# Altium PCB ZhuKong.PcbDoc (part 5 of 6)
Units mm, origin at the board's own origin, x right, y up, seen from the top; angles counter-clockwise.
Board outline 178.45 x 113.25 mm, 2 copper layers (Top Layer, Bottom Layer); 395 components, 351 nets, 1367 pads, 848 vias.
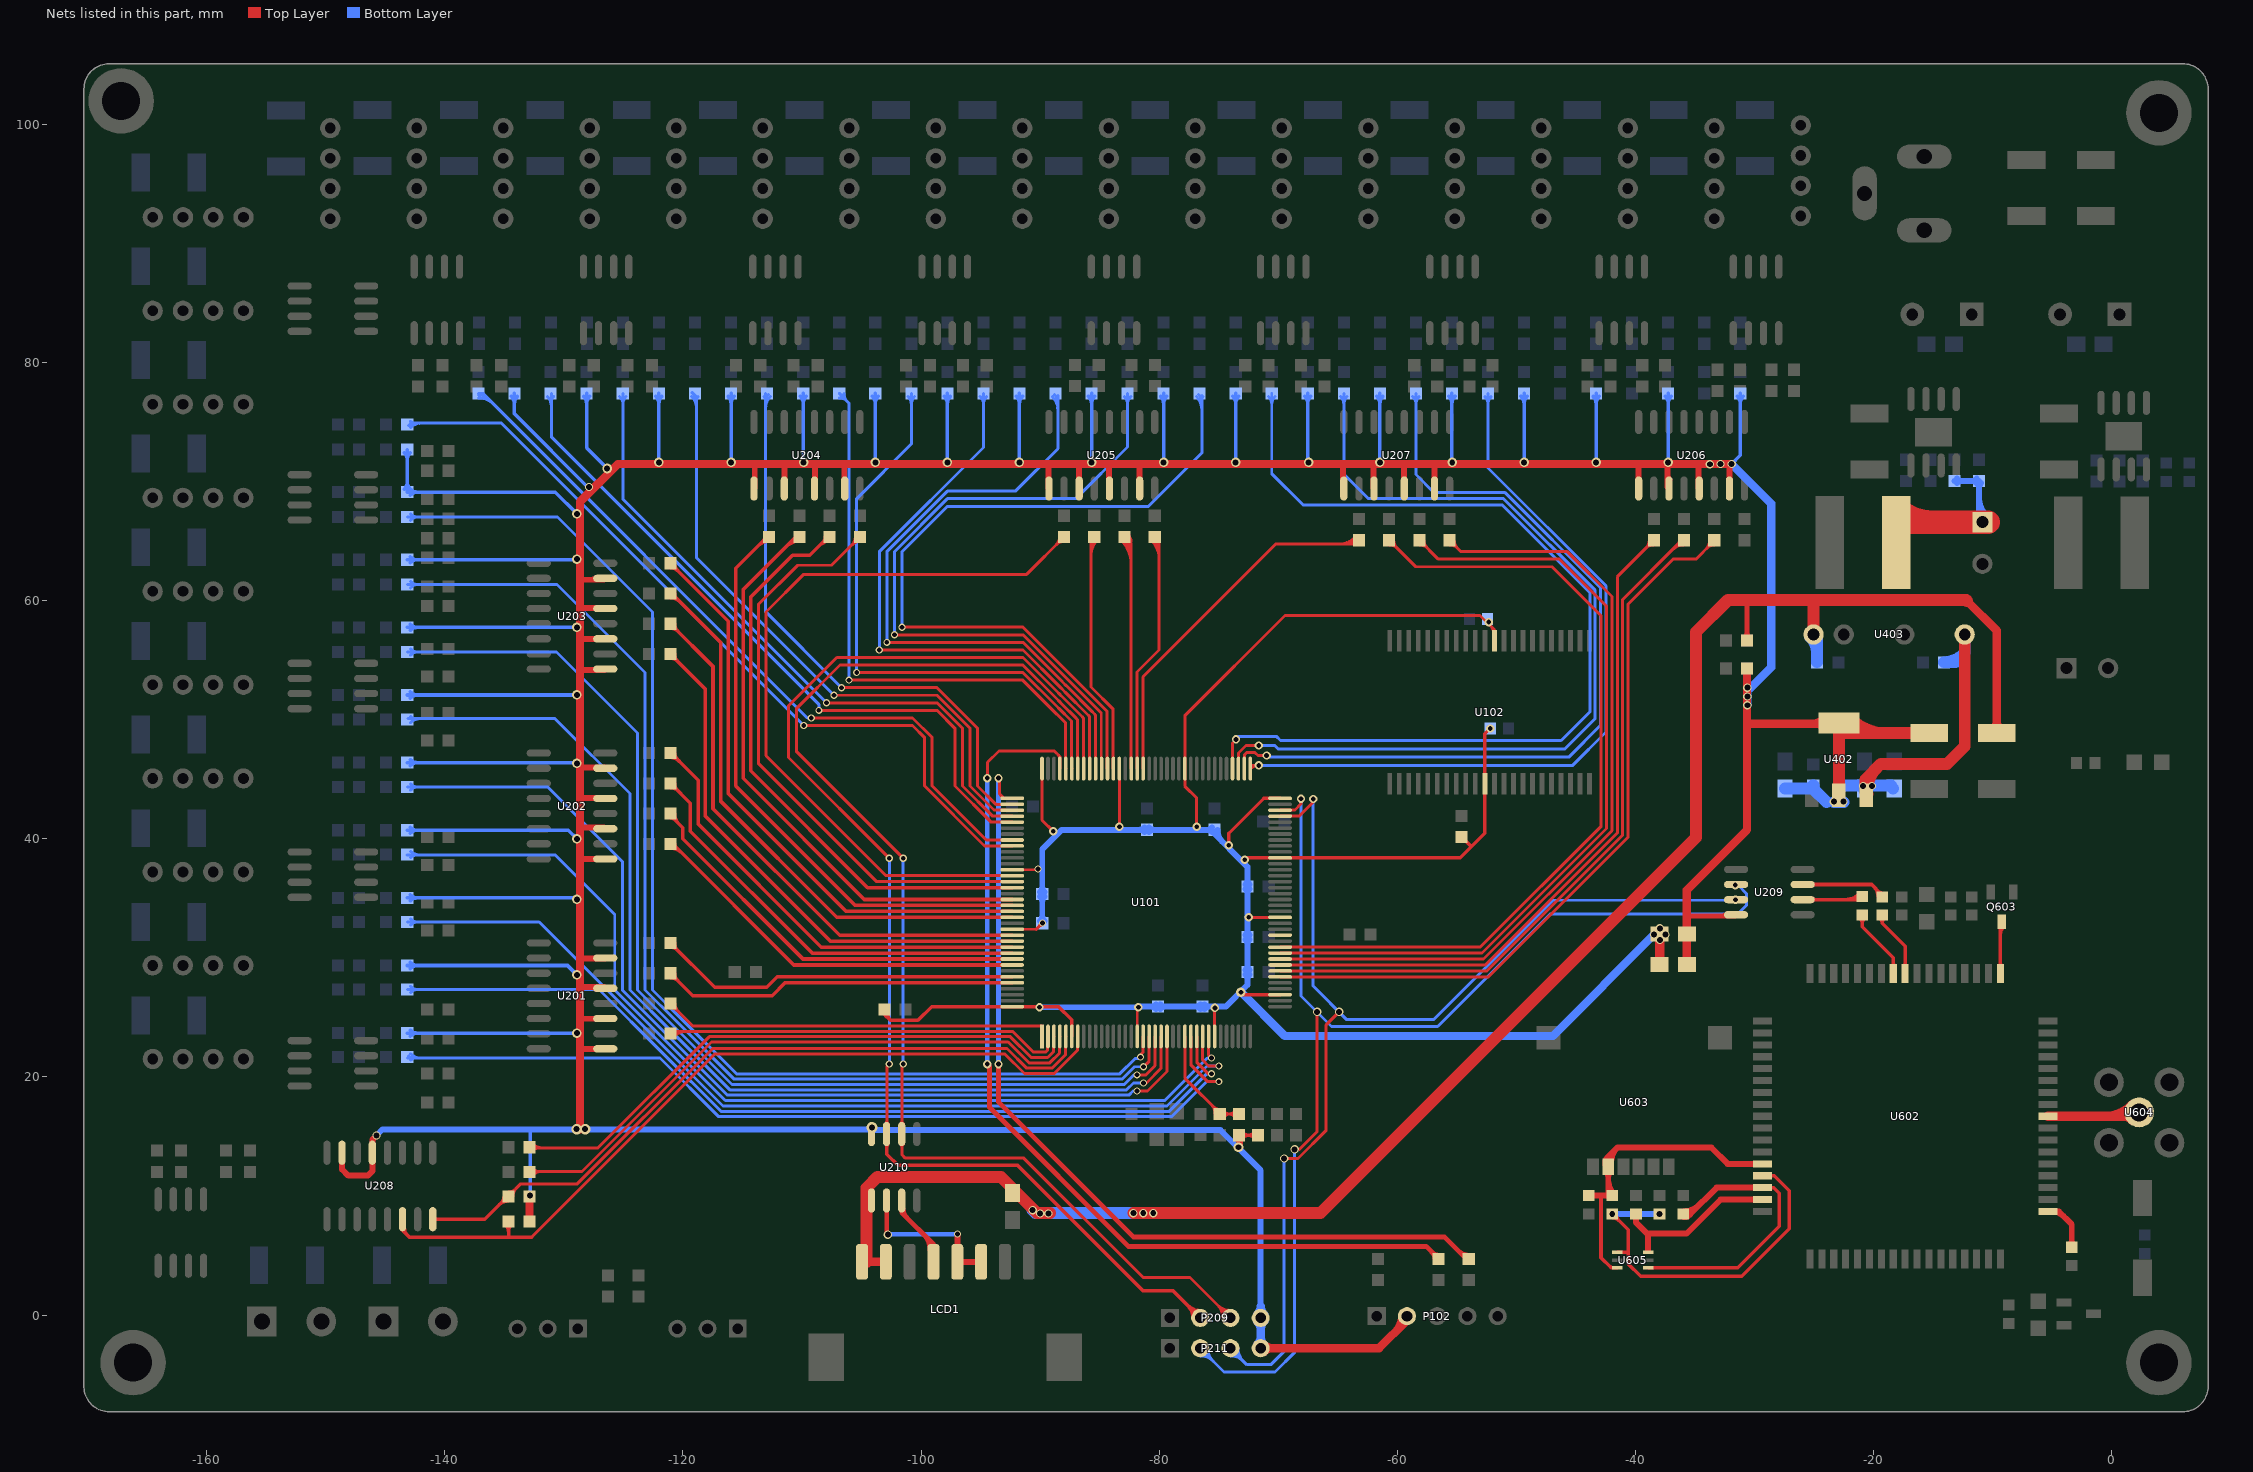
[diagram p5: the nets of this part, all layers, seen from the top]

## Via types
v1: diameter 0.5, hole 0.4, Top Layer to Bottom Layer, tented both sides, 554 vias
v2: diameter 0.7, hole 0.5, Top Layer to Bottom Layer, tented both sides, 134 vias
v3: diameter 0.6, hole 0.4, Top Layer to Bottom Layer, tented both sides, 77 vias
v4: diameter 0.7, hole 0.4, Top Layer to Bottom Layer, tented both sides, 40 vias
v5: diameter 0.8, hole 0.5, Top Layer to Bottom Layer, tented both sides, 32 vias
v6: diameter 0.5, hole 0.4, Top Layer to Bottom Layer, 5 vias
v7: diameter 0.9, hole 0.5, Top Layer to Bottom Layer, tented both sides, 4 vias
v8: diameter 0.5, hole 0.4, Top Layer to Bottom Layer, tented bottom, 1 vias
v9: diameter 0.8, hole 0.4, Top Layer to Bottom Layer, tented both sides, 1 vias

## Nets (pads, with @x,y where several pads share a name; then routed paths per layer and width w, separated by ;. In a path a pad name is that pad's centre, name@x,y a point inside that pad or via, vN(x,y) a via of type N, cw(c..) or ccw(c..) an arc to the next point about the centre after c; other vN are vias at no path point) (continued)
PA6_CH27: R91.1 U101.42 | length 64.2
  Top Layer w0.25: U101.42@-69.834,28.411 -52.327,28.411 -40.605,40.133 -40.605,59.725 -36.83,63.5 -34.9,63.5 R91.1@-33.63,64.77 ; -34.046,64.354 ccw(c-34.782,65.09) R91.1@-33.741,65.09 ; -33.929,64.47 cw(c-33.358,63.899) R91.1@-33.358,64.707
PA7_CH26: R99.1 U101.43 | length 62.6
  Top Layer w0.25: U101.43@-69.834,28.911 -52.464,28.911 -41.055,40.319 -41.055,60.113 -36.297,64.872 R99.1@-35.789,64.872 ; -36.86,64.309 cw(c-35.898,63.347) R99.1@-35.898,64.707 ; -36.433,64.735 cw(c-35.898,64.2) R99.1@-35.898,64.957 ; -36.424,64.744 ccw(c-36.77,65.09) R99.1@-36.281,65.09
PA8_FEED18: R553.1 U101.100 | length 51
  Top Layer w0.25: v3(-103.505,55.88) -91.44,55.88 -88.395,52.835 -88.394,52.835 -88.21,52.651 -88.208,52.651 -88.024,52.467 -88.023,52.467 -87.838,52.282 -87.837,52.282 -86.059,50.505 -86.059,50.504 -86.009,50.454 -86.009,50.452 -85.959,50.402 -85.959,50.401 -85.909,50.351 -85.909,50.349 -85.859,50.299 -85.859,45.936 U101.100@-85.834,45.911
  Bottom Layer w0.25: v3(-103.505,55.88) -103.505,64.135 -94.759,72.881 R553.1@-94.759,77.434 ; R553.1@-95.03,77.164 cw(c-95.684,76.51) -94.759,76.51 cw(c-93.834,76.51) R553.1@-94.488,77.164
PA9-USART1_TX: P209.2 U101.101 U210.7 | length 109.7
  Top Layer w0.25: U210.7@-102.997,16.053 ccw(c-103.304,16.36) -102.87,16.36 ccw(c-102.436,16.36) U210.7@-102.743,16.053 ; U210.7@-102.87,15.215 -102.87,20.879 v3(-102.667,21.082) ; v3(-102.667,38.379) -111.125,46.838 -111.125,51.19 -107.07,55.245 -91.443,55.245 -88.583,52.385 -88.58,52.385 -88.396,52.201 -88.395,52.201 -88.21,52.017 -88.209,52.017 -88.025,51.832 -88.023,51.832 -86.509,50.319 -86.509,50.317 -86.459,50.267 -86.459,50.266 -86.409,50.216 -86.409,50.214 -86.359,50.164 -86.359,45.936 U101.101@-86.334,45.911
  Top Layer w0.3: U210.7@-102.979,14.394 cw(c-103.244,14.13) -102.87,14.13 cw(c-102.496,14.13) U210.7@-102.761,14.394 ; U210.7@-102.87,15.215 -102.87,13.513 -101.93,12.573 -91.897,12.573 -81.382,2.057 -78.849,2.057 P209.2@-76.548,-0.244 ; P209.2@-77.16,-0.244 ccw(c-78.638,-0.244) -77.593,0.801 ccw(c-76.548,1.846) P209.2@-76.548,0.368
  Bottom Layer w0.25: v3(-102.667,21.082) v3(-102.667,38.379)
PA10-USART1_RX: P209.3 U101.102 U210.6 | length 110.9
  Top Layer w0.25: U210.6@-101.727,14.376 cw(c-102.034,14.069) -101.6,14.069 cw(c-101.166,14.069) U210.6@-101.473,14.376 ; U210.6@-101.727,16.053 ccw(c-102.034,16.36) -101.6,16.36 ccw(c-101.166,16.36) U210.6@-101.473,16.053 ; v3(-101.498,21.082) -101.6,20.98 -101.6,15.215 -101.6,13.462 -101.321,13.183 -91.364,13.183 -81.331,3.15 -77.401,3.15 P209.3@-74.008,-0.244 ; v3(-101.498,38.379) -110.48,47.361 -110.48,50.937 -106.807,54.61 -91.444,54.61 -88.585,51.751 -88.581,51.751 -88.397,51.567 -88.395,51.567 -88.211,51.382 -88.21,51.382 -86.959,50.132 -86.959,50.131 -86.909,50.081 -86.909,50.079 -86.859,50.029 -86.859,45.936 U101.102@-86.834,45.911 ; P209.3@-74.645,-0.244 ccw(c-76.183,-0.244) -75.095,0.844 ccw(c-74.008,1.931) P209.3@-74.008,0.393 ; P209.3@-74.395,-0.244 ccw(c-75.329,-0.244) -74.669,0.417 ccw(c-74.008,1.078) P209.3@-74.008,0.143
  Bottom Layer w0.25: v3(-101.498,21.082) v3(-101.498,38.379)
PA11_FEED17: R550.1 U101.103 | length 50.6
  Top Layer w0.25: v3(-105.41,53.975) -91.446,53.975 -88.587,51.117 -88.582,51.117 -88.397,50.932 -88.396,50.932 -87.409,49.946 -87.409,49.944 -87.359,49.894 -87.359,45.936 U101.103@-87.334,45.911
  Bottom Layer w0.25: v3(-105.41,53.975) -105.41,68.58 -100.815,73.175 R550.1@-100.815,77.434 ; R550.1@-101.086,77.164 cw(c-101.739,76.51) -100.815,76.51 cw(c-99.89,76.51) R550.1@-100.544,77.164
PA12_FEED16: R547.1 U101.104 | length 49.4
  Top Layer w0.25: v3(-106.045,53.34) -91.447,53.34 -88.589,50.482 -88.582,50.482 -87.859,49.759 -87.859,45.936 U101.104@-87.834,45.911
  Bottom Layer w0.25: R547.1@-106.87,77.051 cw(c-106.87,76.127) -106.217,76.781 cw(c-105.563,77.434) R547.1@-106.487,77.434 ; R547.1@-106.87,77.434 -106.045,76.609 v3(-106.045,53.34)
PA15_FEED15: R544.1 U101.110 | length 50.7
  Top Layer w0.25: v3(-106.68,52.705) -98.654,52.705 -95.25,49.301 -95.25,44.449 -93.712,42.911 U101.110@-92.334,42.911
  Bottom Layer w0.25: R544.1@-113.197,77.164 cw(c-113.539,76.822) -113.055,76.822 ; -113.055,76.198 cw(c-111.69,76.198) R544.1@-112.655,77.164 ; -113.055,76.801 cw(c-112.293,76.801) R544.1@-112.832,77.34 ; R544.1@-113.055,77.434 -113.055,59.08 v3(-106.68,52.705)
PB0_CH23: R89.1 U101.46 | length 69.9
  Top Layer w0.25: U101.46@-69.834,30.411 -52.873,30.411 -42.405,40.878 -42.405,59.55 -46.355,63.5 -56.541,63.5 R89.1@-58.131,65.09 ; R89.1@-58.131,64.707 cw(c-58.131,63.782) -57.477,64.436 cw(c-56.824,65.09) R89.1@-57.748,65.09
PB1_CH22: R82.1 U101.47 | length 70.8
  Top Layer w0.25: U101.47@-69.834,30.911 -53.009,30.911 -42.855,41.065 -42.855,58.73 -46.99,62.865 -58.446,62.865 R82.1@-60.671,65.09 ; R82.1@-60.671,64.707 cw(c-60.671,63.782) -60.017,64.436 cw(c-59.364,65.09) R82.1@-60.288,65.09
PB3_CH9: R37.1 U101.133 | length 46.3
  Top Layer w0.3: R37.1@-121.064,55.182 cw(c-121.064,54.317) -120.453,54.928 cw(c-119.842,55.54) R37.1@-120.706,55.54 ; R37.1@-121.064,55.54 -118.11,52.586 -118.11,41.91 -107.611,31.411 U101.133@-92.334,31.411
PB4_CH8: R45.1 U101.134 | length 38.9
  Top Layer w0.3: R45.1@-121.064,46.85 cw(c-121.064,45.82) -120.336,46.549 ; R45.1@-121.031,46.99 -120.777,46.99 -118.72,44.933 -118.72,41.25 -108.381,30.911 U101.134@-92.334,30.911 ; R45.1@-120.706,47.208 ccw(c-120.007,47.208) -120.501,46.714
PB5_CH7: R36.1 U101.135 | length 37.5
  Top Layer w0.3: R36.1@-121.234,44.526 -120.904,44.526 -119.38,43.002 -119.38,40.64 -109.151,30.411 U101.135@-92.334,30.411 ; R36.1@-121.064,44.31 cw(c-121.064,43.403) -120.422,44.045 ; R36.1@-120.706,44.668 ccw(c-119.885,44.668) -120.465,44.088
PB6_CH6: R44.1 U101.136 | length 35.3
  Top Layer w0.3: R44.1@-121.064,41.77 cw(c-121.064,41.231) -120.683,41.612 ; R44.1@-120.853,41.783 -120.015,40.945 -120.015,40.005 -109.921,29.911 U101.136@-92.334,29.911 ; R44.1@-120.706,42.128 ccw(c-119.517,42.128) -120.358,41.287
PB7_CH5: R35.1 U101.137 | length 34
  Top Layer w0.3: R35.1@-121.064,39.23 cw(c-121.064,37.894) -120.119,38.839 ; R35.1@-120.828,39.548 -110.691,29.411 U101.137@-92.334,29.411 ; R35.1@-120.706,39.588 ccw(c-120.314,39.588) R35.1@-120.591,39.311
PB8_CH4: R112.1 U101.139 | length 32
  Top Layer w0.3: R112.1@-121.064,30.899 cw(c-121.064,30.035) -120.453,30.646 cw(c-119.842,31.257) R112.1@-120.706,31.257 ; R112.1@-121.064,31.257 -117.34,27.534 -112.954,27.534 -112.077,28.411 U101.139@-92.334,28.411
PB9_CH3: R106.1 U101.140 | length 31.3
  Top Layer w0.3: R106.1@-121.064,28.359 cw(c-121.064,27.495) -120.453,28.106 cw(c-119.842,28.717) R106.1@-120.706,28.717 ; R106.1@-121.064,28.717 -119.183,26.836 -112.508,26.836 -111.434,27.911 U101.140@-92.334,27.911
PB10-USART3_TX: P211.3 U101.69 U209.7 | length 100.7
  Top Layer w0.25: U101.69@-69.834,41.911 -68.249,41.911 -67.056,43.104 v4(-67.056,43.358) ; v2(-69.494,13.157) -68.323,13.157 -65.964,15.516 -65.964,24.384 v2(-64.872,25.476)
  Bottom Layer w0.25: P211.3@-74.008,-3.421 cw(c-74.008,-4.959) -72.921,-3.871 cw(c-71.833,-2.784) P211.3@-73.371,-2.784 ; P211.3@-74.008,-3.171 cw(c-74.008,-4.105) -73.347,-3.444 cw(c-72.687,-2.784) P211.3@-73.621,-2.784 ; P211.3@-74.008,-2.784 -72.626,-4.166 -70.612,-4.166 -69.494,-3.048 v2(-69.494,13.157) ; v4(-67.056,43.358) -67.056,27.635 -64.237,24.816 -56.947,24.816 -46.914,34.849 -31.725,34.849 v4@-31.572,35.001
  other v4: -31.572,34.9
PB11-USART3_RX: P211.2 U101.70 U209.6 | length 106.3
  Top Layer w0.25: U101.70@-69.834,42.411 -69.809,42.436 -68.588,42.436 -68.072,42.951 v4(-68.072,43.383) ; -68.197,13.919 -66.726,15.39 v2(-66.726,25.476)
  Bottom Layer w0.25: P211.2@-76.548,-3.421 cw(c-76.548,-4.959) -75.461,-3.871 cw(c-74.373,-2.784) P211.2@-75.911,-2.784 ; P211.2@-76.548,-3.171 cw(c-76.548,-4.105) -75.887,-3.444 cw(c-75.227,-2.784) P211.2@-76.161,-2.784 ; P211.2@-76.548,-2.784 -74.547,-4.784 -70.266,-4.784 -68.605,-3.124 v2(-68.605,13.919) ; v4(-68.072,43.383) -68.072,26.797 -65.507,24.232 -56.591,24.232 -47.117,33.706 -31.369,33.706 -30.632,34.442 -30.632,35.382 v4@-31.369,36.119
  other v4: -31.598,36.119
PB12_FEED25: R574.1 U101.73 | length 66.1
  Top Layer w0.25: U101.73@-72.334,45.911 -72.334,46.164 v4@-71.463,46.164 ; U101.73@-72.317,45.893 cw(c-71.662,45.238) v4@-71.662,46.164
  Bottom Layer w0.25: v4@-71.526,46.152 -45.288,46.152 -42.465,48.975 -42.465,61.261 -52.369,71.165 R574.1@-52.369,77.434 ; R574.1@-52.64,77.164 cw(c-53.293,76.51) -52.369,76.51 cw(c-51.444,76.51) R574.1@-52.098,77.164
  other v4: -71.628,46.177
PB13_FEED24: R571.1 U101.74 | length 71.6
  Top Layer w0.25: U101.74@-72.834,45.911 -72.809,45.936 -72.809,47.103 -72.662,47.25 -71.933,47.25 -71.699,47.015 v4(-70.968,47.015)
  Bottom Layer w0.25: v4@-70.968,46.871 -45.585,46.871 -42.915,49.541 -42.915,61.075 -50.928,69.088 -56.896,69.088 -58.424,70.616 R571.1@-58.424,77.434 ; R571.1@-58.695,77.164 cw(c-59.349,76.51) -58.424,76.51 cw(c-57.5,76.51) R571.1@-58.154,77.164
PB14_FEED23: R568.1 U101.75 | length 76.9
  Top Layer w0.25: U101.75@-73.334,45.911 -73.334,47.214 -72.695,47.854 v4(-71.628,47.854)
  Bottom Layer w0.25: v4(-71.628,47.854) -70.282,47.854 -70.002,47.574 -45.898,47.574 -43.365,50.107 -43.365,60.888 -51.057,68.58 -62.408,68.58 -64.48,70.652 R568.1@-64.48,77.434 ; R568.1@-64.751,77.164 cw(c-65.405,76.51) -64.48,76.51 cw(c-63.556,76.51) R568.1@-64.209,77.164
PB15_FEED22: R565.1 U101.76 | length 82.6
  Top Layer w0.25: U101.76@-73.834,45.911 -73.834,48.06 v4(-73.533,48.362)
  Bottom Layer w0.25: v4(-73.533,48.362) -73.279,48.616 -70.155,48.616 -69.809,48.27 -46.218,48.27 -43.815,50.673 -43.815,60.702 -51.185,68.072 -67.92,68.072 -70.536,70.688 R565.1@-70.536,77.434 ; R565.1@-70.807,77.164 cw(c-71.461,76.51) -70.536,76.51 cw(c-69.611,76.51) R565.1@-70.265,77.164
PC0_FEED1: R502.1 U101.26 | length 78.7
  Top Layer w0.25: U101.26@-77.334,23.411 -77.334,21.023 -75.921,19.609 v3(-74.981,19.609)
  Bottom Layer w0.25: R502.1@-143.162,21.59 -121.92,21.59 -116.999,16.669 -78.958,16.669 -76.018,19.609 v3(-74.981,19.609) ; R502.1@-143.068,21.775 ccw(c-142.62,22.223) -142.62,21.59 ; R502.1@-142.891,21.411 cw(c-142.458,20.977) -142.458,21.59 ; R502.1@-142.891,21.952 ccw(c-142.017,22.827) -142.017,21.59
PC1_FEED2: R505.1 U101.27 | length 78.4
  Top Layer w0.25: U101.27@-76.834,23.411 -76.834,21.234 -75.87,20.269 v3(-75.59,20.269)
  Bottom Layer w0.25: R505.1@-143.162,27.351 -127.046,27.351 -121.735,22.04 -121.734,22.04 -116.813,17.119 -79.144,17.119 -75.994,20.269 v3(-75.59,20.269) ; R505.1@-142.891,27.08 cw(c-142.237,26.427) -142.237,27.351 cw(c-142.237,28.276) R505.1@-142.891,27.622
PC2_FEED3: R508.1 U101.28 | length 81
  Top Layer w0.25: U101.28@-76.334,23.411 -76.334,21.42 -75.844,20.93 v3(-74.981,20.93)
  Bottom Layer w0.25: R508.1@-143.162,33.021 -132.08,33.021 -121.549,22.49 -121.547,22.49 -116.626,17.569 -79.33,17.569 -75.97,20.93 v3(-74.981,20.93) ; R508.1@-142.891,32.75 cw(c-142.237,32.096) -142.237,33.021 cw(c-142.237,33.946) R508.1@-142.891,33.292
PC3_FEED4: R511.1 U101.29 | length 84.7
  Top Layer w0.25: U101.29@-75.834,23.411 -75.834,21.834 v3(-75.59,21.59)
  Bottom Layer w0.25: R511.1@-143.187,38.666 -130.741,38.666 -125.73,33.655 -125.73,27.308 -121.362,22.94 -121.361,22.94 -116.44,18.019 -79.517,18.019 -75.946,21.59 v3(-75.59,21.59) ; R511.1@-142.891,38.42 cw(c-142.298,37.827) -142.298,38.666 ; R511.1@-142.891,38.962 ccw(c-142.177,39.676) -142.177,38.666
PC4_CH25: R90.1 U101.44 | length 60.2
  Top Layer w0.25: U101.44@-69.834,29.411 -52.6,29.411 -41.505,40.506 -41.505,62.022 R90.1@-38.438,65.09 ; R90.1@-38.821,65.09 cw(c-39.745,65.09) -39.092,64.436 cw(c-38.438,63.782) R90.1@-38.438,64.707
PC5_CH24: R98.1 U101.45 | length 69.1
  Top Layer w0.25: U101.45@-69.834,29.911 -52.737,29.911 -41.955,40.692 -41.955,60.37 -45.72,64.135 -54.636,64.135 R98.1@-55.591,65.09 ; R98.1@-55.591,64.707 cw(c-55.591,63.782) -54.937,64.436 cw(c-54.284,65.09) R98.1@-55.208,65.09
PC6_CH18: R80.1 U101.96 | length 22.8
  Top Layer w0.25: -85.725,63.768 cw(c-83.843,63.768) R80.1@-85.174,65.099 ; -85.725,64.372 cw(c-84.447,64.372) R80.1@-85.351,65.275 ; R80.1@-85.445,65.369 -85.725,65.089 -85.725,52.761 -83.859,50.896 -83.859,45.936 U101.96@-83.834,45.911
PC7_FEED21: R562.1 U101.97 | length 67
  Top Layer w0.25: v3(-101.6,57.785) -91.43,57.785 -84.359,50.714 -84.359,45.936 U101.97@-84.334,45.911
  Bottom Layer w0.25: v3(-101.6,57.785) -101.6,64.131 -97.786,67.945 -80.899,67.945 -76.414,72.43 R562.1@-76.414,77.256 ; R562.1@-76.863,77.164 cw(c-77.946,76.08) -76.414,76.08 ; R562.1@-76.686,77.34 cw(c-77.343,76.683) -76.414,76.683 ; R562.1@-76.414,76.94 cw(c-76.097,76.94) R562.1@-76.321,77.164
PC8_FEED20: R559.1 U101.98 | length 60.9
  Top Layer w0.25: v3(-102.235,57.15) -91.432,57.15 -84.859,50.578 -84.859,45.936 U101.98@-84.834,45.911
  Bottom Layer w0.25: v3(-102.235,57.15) -102.235,64.132 -97.787,68.58 -86.995,68.58 -82.647,72.928 R559.1@-82.647,77.434 ; R559.1@-82.918,77.164 cw(c-83.572,76.51) -82.647,76.51 cw(c-81.723,76.51) R559.1@-82.377,77.164
PC9_FEED19: R556.1 U101.99 | length 56.6
  Top Layer w0.25: v3(-102.87,56.515) -91.439,56.515 -88.209,53.285 -88.208,53.285 -88.023,53.101 -88.022,53.101 -87.838,52.917 -87.836,52.917 -87.652,52.732 -87.651,52.732 -85.609,50.691 -85.609,50.69 -85.559,50.64 -85.559,50.639 -85.509,50.589 -85.509,50.587 -85.459,50.537 -85.459,50.536 -85.409,50.486 -85.409,50.484 -85.334,50.409 U101.99@-85.334,45.911
  Bottom Layer w0.25: v3(-102.87,56.515) -102.87,64.134 -97.789,69.215 -92.075,69.215 -88.502,72.788 R556.1@-88.502,77.233 ; R556.1@-88.974,77.164 cw(c-90.114,76.024) -88.502,76.024 ; R556.1@-88.797,77.34 cw(c-89.51,76.627) -88.502,76.627
PC10_FEED14: R541.1 U101.111 | length 54.3
  Top Layer w0.25: v3(-107.315,52.07) -98.655,52.07 -95.885,49.3 -95.885,44.447 -93.874,42.436 -92.359,42.436 U101.111@-92.334,42.411
  Bottom Layer w0.25: R541.1@-119.264,77.164 cw(c-120.271,76.157) -118.847,76.157 ; R541.1@-119.253,77.521 -118.847,77.114 -118.847,63.602 v3(-107.315,52.07) ; R541.1@-119.087,77.34 cw(c-119.667,76.76) -118.847,76.76 ; -118.847,76.863 cw(c-118.421,76.863) R541.1@-118.722,77.164
PC11_FEED13: R538.1 U101.112 | length 56.9
  Top Layer w0.25: v3(-107.95,51.435) -98.656,51.435 -96.52,49.299 -96.52,44.446 -93.985,41.911 U101.112@-92.334,41.911
  Bottom Layer w0.25: R538.1@-125.33,77.164 cw(c-126.021,76.473) -125.044,76.473 ; -125.044,76.547 cw(c-124.172,76.547) R538.1@-124.789,77.164 ; R538.1@-125.044,77.434 -125.044,68.529 v3(-107.95,51.435)
PC12_FEED12: R535.1 U101.113 | length 60.4
  Top Layer w0.25: v3(-108.585,50.8) -98.658,50.8 -97.165,49.307 -97.165,46.365 -97.155,46.355 -97.155,44.444 -94.146,41.436 -92.359,41.436 U101.113@-92.334,41.411
  Bottom Layer w0.25: R535.1@-131.397,77.164 cw(c-132.201,76.359) -131.064,76.359 ; -131.064,76.66 cw(c-130.352,76.66) R535.1@-130.855,77.164 ; R535.1@-131.064,77.434 -131.064,73.787 -108.585,51.308 v3(-108.585,50.8)
PC13_HW_SW1: R114.2 U101.7 U208.14 | length 70.3
  Top Layer w0.25: -132.712,6.553 -117.345,21.92 -92.939,21.92 -91.304,20.286 -88.804,20.286 -86.868,22.222 -86.868,22.225 -86.859,22.234 -86.859,23.386 U101.7@-86.834,23.411
  Top Layer w0.3: U208.14@-143.561,8.052 -143.561,7.112 -143.002,6.553 -134.645,6.553 ; U208.14@-143.406,7.341 ccw(c-142.48,7.341) -143.135,6.686 ; R114.2@-134.924,7.621 cw(c-135.596,6.948) -134.645,6.948 ; -134.645,7.071 cw(c-133.868,7.071) R114.2@-134.418,7.621 ; R114.2@-134.645,7.849 -134.645,6.553 ; -132.712,6.553 -134.645,6.553
PD2_FEED11: R532.1 U101.116 | length 65.1
  Top Layer w0.25: v3(-109.22,50.165) -100.715,50.165 -99.06,48.51 -99.06,44.44 -94.606,39.986 -94.593,39.986 -94.518,39.911 U101.116@-92.334,39.911
  Bottom Layer w0.25: R532.1@-137.193,77.051 cw(c-137.193,75.225) -135.902,76.517 ; R532.1@-137.193,77.301 cw(c-137.193,76.079) -136.329,76.943 ; R532.1@-137.16,77.434 -136.82,77.434 -109.55,50.165 v3(-109.22,50.165)
PD3_FEED10: R529.1 U101.117 | length 69.6
  Top Layer w0.25: v3(-109.855,49.53) -100.716,49.53 -99.695,48.509 -99.695,44.439 -94.792,39.536 -94.779,39.536 -94.654,39.411 U101.117@-92.334,39.411
  Bottom Layer w0.25: R529.1@-143.068,74.724 cw(c-142.571,74.227) -142.571,74.93 ; R529.1@-142.891,74.547 cw(c-141.967,73.624) -141.967,74.93 ; R529.1@-142.891,75.089 ccw(c-142.507,75.473) -142.507,74.93 ; R529.1@-142.875,74.93 -135.255,74.93 v3(-109.855,49.53)
PD6_CH17: R71.1 U101.122 | length 66
  Top Layer w0.25: U101.122@-92.334,36.911 -102.951,36.911 -113.03,46.99 -113.03,59.055 -109.855,62.23 -91.124,62.23 R71.1@-87.985,65.369 ; R71.1@-88.368,65.369 cw(c-89.292,65.369) -88.639,64.716 cw(c-87.985,64.062) R71.1@-87.985,64.986
PD7_CH16: R64.1 U101.123 | length 51.1
  Top Layer w0.25: R64.1@-105.521,65.369 cw(c-106.446,65.369) -105.792,64.716 cw(c-105.138,64.062) R64.1@-105.138,64.986 ; R64.1@-105.138,65.369 -107.516,62.992 -110.363,62.992 -113.665,59.69 -113.665,46.355 -103.721,36.411 U101.123@-92.334,36.411
PE2_CH2: R111.1 U101.1 | length 34.3
  Top Layer w0.25: R111.1@-121.064,25.794 cw(c-121.064,24.87) -120.41,25.523 cw(c-119.756,26.177) R111.1@-120.681,26.177 ; R111.1@-121.064,26.177 -119.173,24.286 -92.123,24.286 -92.119,24.282 -89.834,24.282 U101.1@-89.834,23.411
PE3_CH1: R105.1 U101.2 | length 35.8
  Top Layer w0.25: R105.1@-121.064,23.637 -120.865,23.836 -92.309,23.836 -90.559,22.086 -89.55,22.086 -89.359,22.276 -89.359,23.386 U101.2@-89.334,23.411 ; R105.1@-120.97,23.543 cw(c-120.262,22.836) -120.262,23.836 ; R105.1@-120.793,23.366 cw(c-119.659,22.232) -119.659,23.836
PE4_JDQ2: R22.1 U101.4 | length 52.9
  Top Layer w0.25: R22.1@-132.867,12.065 -128.473,12.065 -117.602,22.936 -92.682,22.936 -90.931,21.186 -89.177,21.186 -88.359,22.003 -88.359,23.386 U101.4@-88.334,23.411 ; R22.1@-132.622,11.752 cw(c-131.866,10.996) -131.866,12.065 ; R22.1@-132.622,12.293 ccw(c-132.07,12.845) -132.07,12.065
PE5_JDQ1: R25.1 U101.3 | length 51.5
  Top Layer w0.25: R25.1@-132.842,14.046 -127.134,14.046 -117.837,23.343 -117.832,23.343 -117.788,23.386 -92.495,23.386 -90.745,21.636 -89.363,21.636 -88.859,22.14 -88.859,23.386 U101.3@-88.834,23.411 ; R25.1@-132.622,13.826 cw(c-132.091,13.295) -132.091,14.046 ; R25.1@-132.622,14.368 ccw(c-131.846,15.144) -131.846,14.046
PE6_HW_SW2: R116.2 U101.5 U208.16 | length 64.9
  Top Layer w0.25: R116.2@-134.671,10.331 ccw(c-134.671,11.174) -134.075,10.578 ; R116.2@-134.518,10.135 -133.629,11.024 -128.878,11.024 -117.499,22.403 -92.785,22.403 -91.118,20.736 -88.991,20.736 -87.859,21.867 -87.859,23.386 U101.5@-87.834,23.411 ; R116.2@-134.288,9.948 cw(c-133.281,9.948) -133.993,10.66
  Top Layer w0.3: U208.16@-141.021,8.052 -136.652,8.052 R116.2@-134.722,9.982 ; U208.16@-140.911,7.942 cw(c-140.647,7.678) -140.647,8.052 cw(c-140.647,8.426) U208.16@-140.911,8.161 ; -135.426,9.277 cw(c-134.671,8.522) R116.2@-134.671,9.59 ; -135.222,9.482 ccw(c-135.689,9.948) R116.2@-135.029,9.948
PF6_FEED9: R526.1 U101.18 | length 103.4
  Top Layer w0.25: v3(-81.559,21.666) -81.559,21.869 -81.334,22.094 U101.18@-81.334,23.411
  Bottom Layer w0.25: R526.1@-143.162,67.04 -130.54,67.04 -122.555,59.055 -122.555,27.315 -120.43,25.19 -120.429,25.19 -115.508,20.269 -83.296,20.269 -82.026,21.539 -81.686,21.539 v3(-81.559,21.666) ; R526.1@-142.891,66.769 cw(c-142.237,66.116) -142.237,67.04 cw(c-142.237,67.965) R526.1@-142.891,67.311